# Altium PCB openservo_tessellated.PcbDoc (part 4 of 13) (continued)
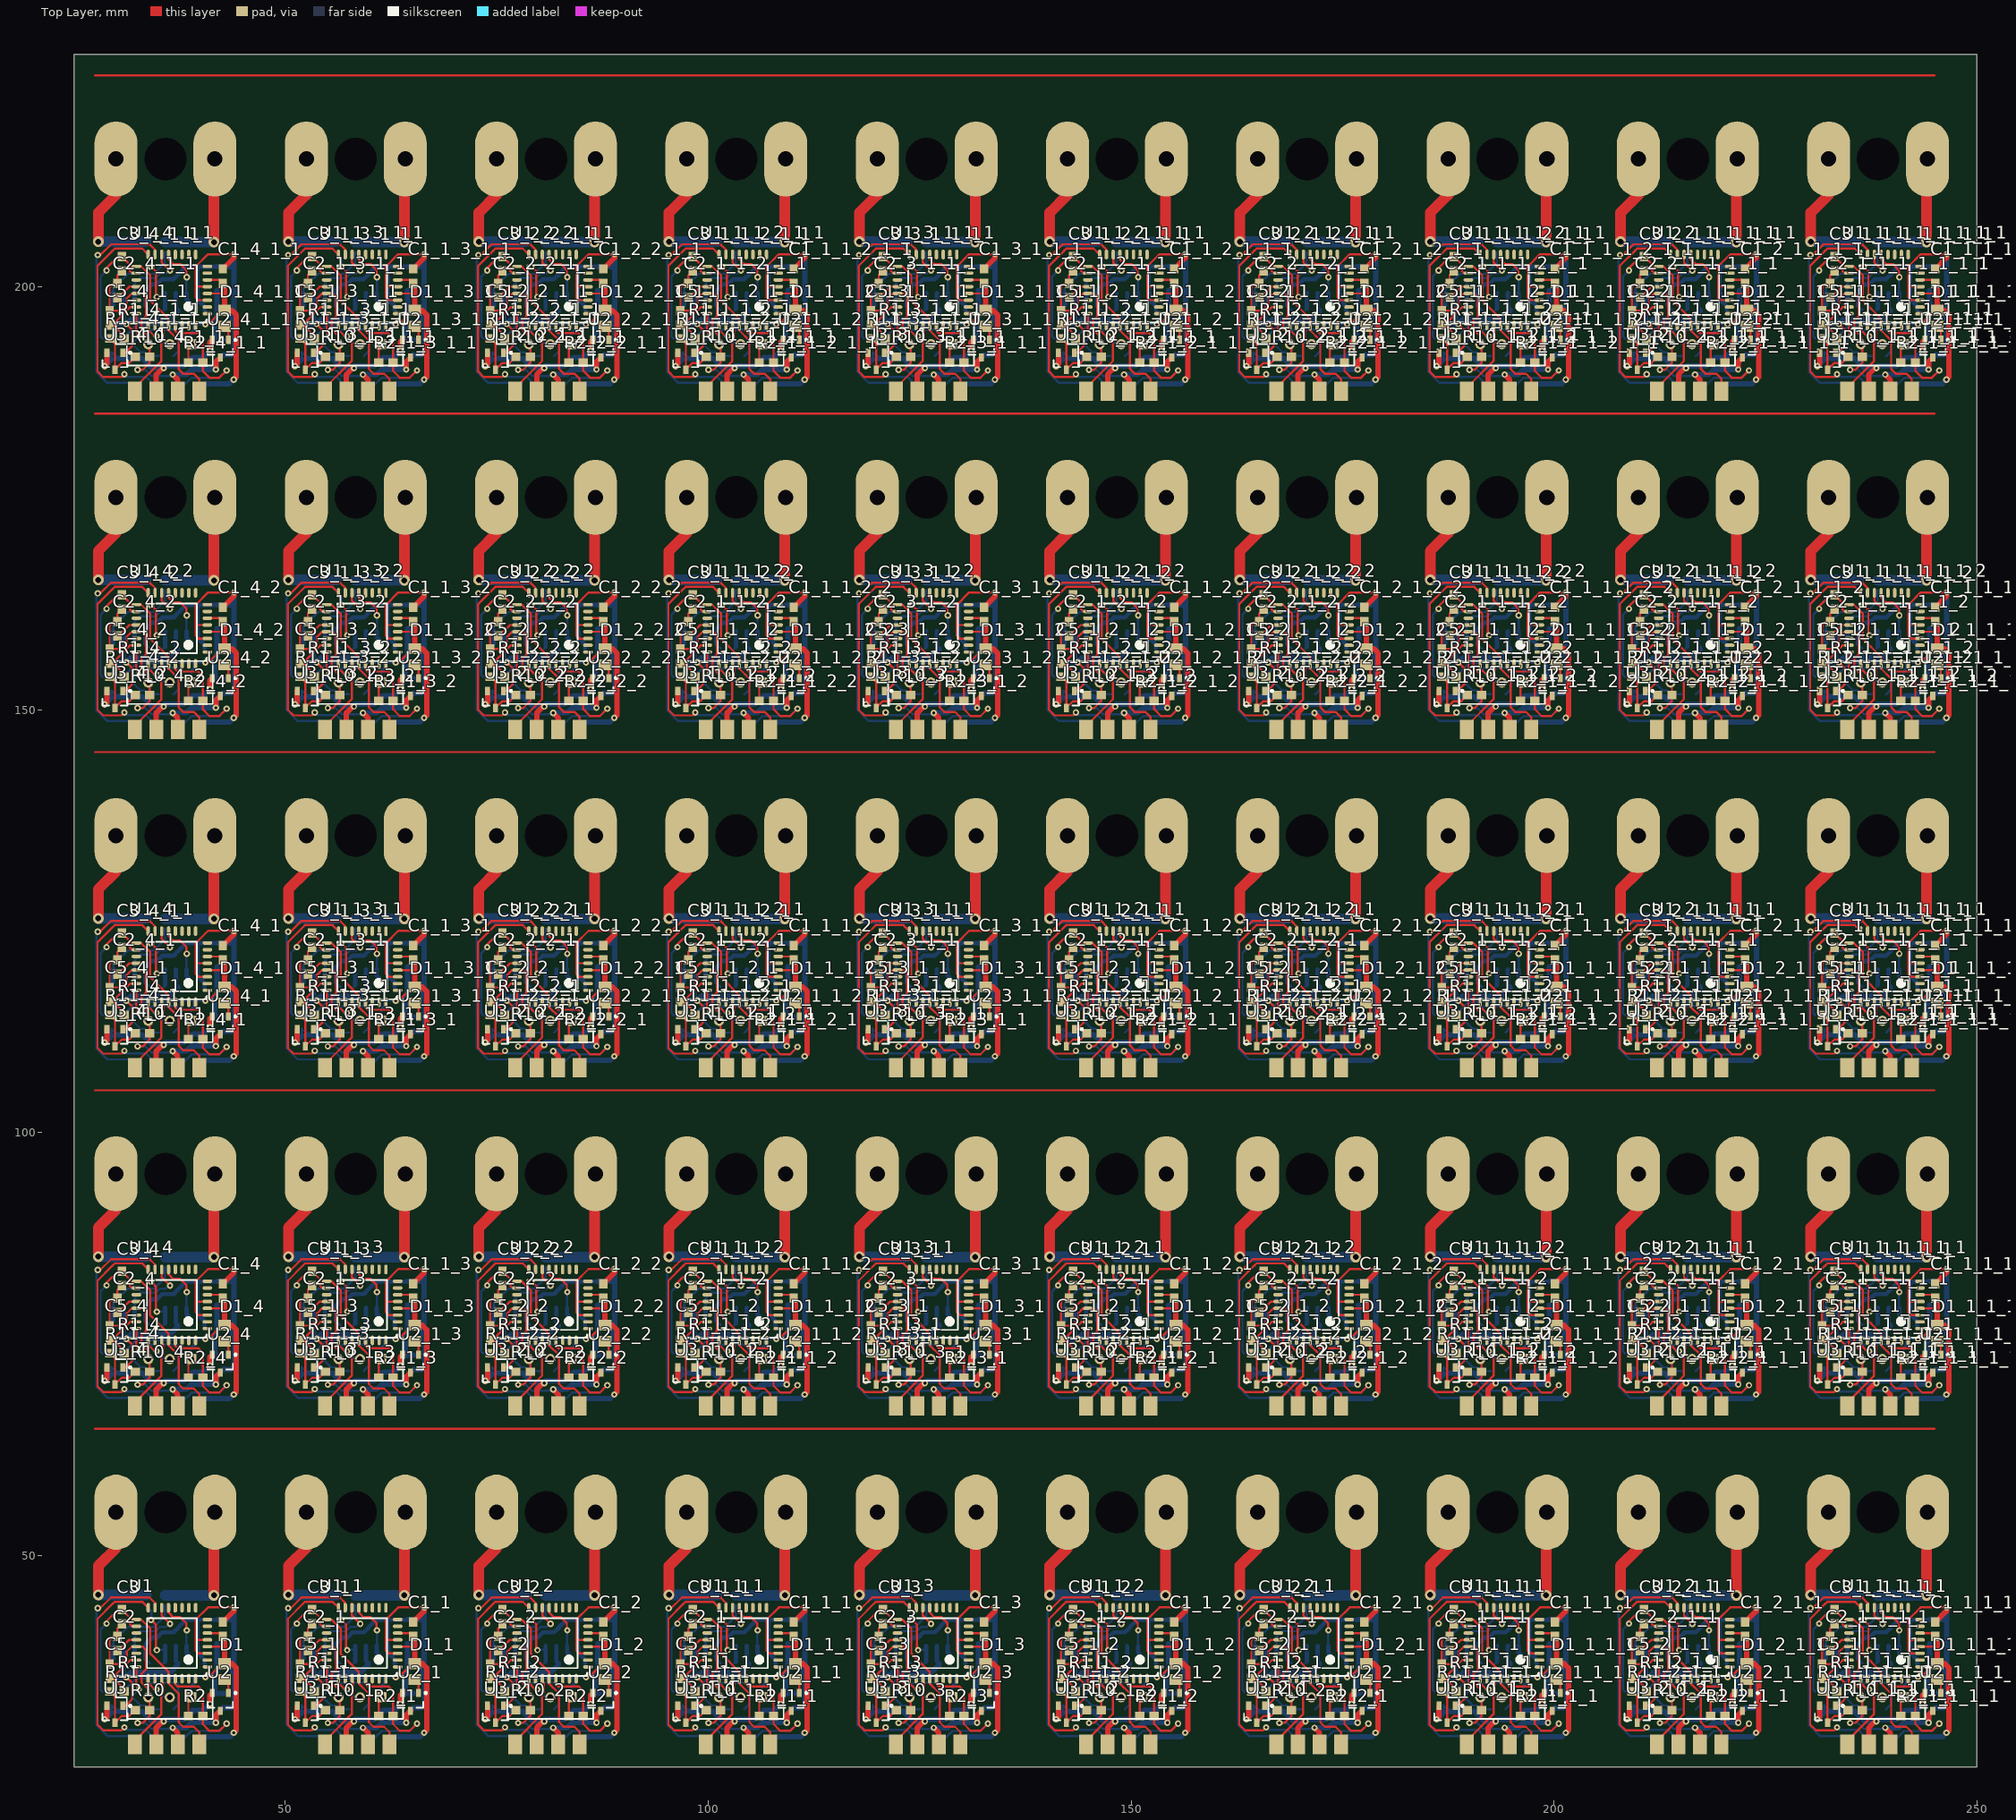
[diagram p0: Top Layer view]
## Nets (pads, with @x,y where several pads share a name; then routed paths per layer and width w, separated by ;. In a path a pad name is that pad's centre, name@x,y a point inside that pad or via, vN(x,y) a via of type N, cw(c..) or ccw(c..) an arc to the next point about the centre after c; other vN are vias at no path point) (continued)
Q2_4.7 Q2_4.8 Q2_4_1.1 Q2_4_1.2 Q2_4_1.3 Q2_4_1.4 Q2_4_1.5 Q2_4_1.6 Q2_4_1.7 Q2_4_1.8 Q2_4_1_1.1 Q2_4_1_1.2 Q2_4_1_1.3 Q2_4_1_1.4 Q2_4_1_1.5 Q2_4_1_1.6 Q2_4_1_1.7 Q2_4_1_1.8 Q2_4_2.1 Q2_4_2.2 Q2_4_2.3 Q2_4_2.4 Q2_4_2.5 Q2_4_2.6 Q2_4_2.7 Q2_4_2.8 R1_1.1 R1_1.2 R1_1.3 R1_1_1.1 R1_1_1.2 R1_1_1.3 R1_1_1_1.1 R1_1_1_1.2 R1_1_1_1.3 R1_1_1_1_1.1 R1_1_1_1_1.2 R1_1_1_1_1.3 R1_1_1_1_1_1.1 R1_1_1_1_1_1.2 R1_1_1_1_1_1.3 R1_1_1_1_1_1_1.1 R1_1_1_1_1_1_1.2 R1_1_1_1_1_1_1.3 R1_1_1_1_1_1_1_1.1 R1_1_1_1_1_1_1_1.2 R1_1_1_1_1_1_1_1.3 R1_1_1_1_1_1_2.1 R1_1_1_1_1_1_2.2 R1_1_1_1_1_1_2.3 R1_1_1_1_2.1 R1_1_1_1_2.2 R1_1_1_1_2.3 R1_1_1_1_2_1.1 R1_1_1_1_2_1.2 R1_1_1_1_2_1.3 R1_1_1_1_2_1_1.1 R1_1_1_1_2_1_1.2 R1_1_1_1_2_1_1.3 R1_1_1_1_2_2.1 R1_1_1_1_2_2.2 R1_1_1_1_2_2.3 R1_1_1_2.1 R1_1_1_2.2 R1_1_1_2.3 R1_1_1_2_1.1 R1_1_1_2_1.2 R1_1_1_2_1.3 R1_1_1_2_1_1.1 R1_1_1_2_1_1.2 R1_1_1_2_1_1.3 R1_1_1_2_2.1 R1_1_1_2_2.2 R1_1_1_2_2.3 R1_1_2.1 R1_1_2.2 R1_1_2.3 R1_1_2_1.1 R1_1_2_1.2 R1_1_2_1.3 R1_1_2_1_1.1 R1_1_2_1_1.2 R1_1_2_1_1.3 R1_1_2_1_1_1.1 R1_1_2_1_1_1.2 R1_1_2_1_1_1.3 R1_1_2_1_2.1 R1_1_2_1_2.2 R1_1_2_1_2.3 R1_1_3.1 R1_1_3.2 R1_1_3.3 R1_1_3_1.1 R1_1_3_1.2 R1_1_3_1.3 R1_1_3_1_1.1 R1_1_3_1_1.2 R1_1_3_1_1.3 R1_1_3_2.1 R1_1_3_2.2 R1_1_3_2.3 R1_2.1 R1_2.2 R1_2.3 R1_2_1.1 R1_2_1.2 R1_2_1.3 R1_2_1_1.1 R1_2_1_1.2 R1_2_1_1.3 R1_2_1_1_1.1 R1_2_1_1_1.2 R1_2_1_1_1.3 R1_2_1_1_1_1.1 R1_2_1_1_1_1.2 R1_2_1_1_1_1.3 R1_2_1_1_1_1_1.1 R1_2_1_1_1_1_1.2 R1_2_1_1_1_1_1.3 R1_2_1_1_1_2.1 R1_2_1_1_1_2.2 R1_2_1_1_1_2.3 R1_2_1_2.1 R1_2_1_2.2 R1_2_1_2.3 R1_2_1_2_1.1 R1_2_1_2_1.2 R1_2_1_2_1.3 R1_2_1_2_1_1.1 R1_2_1_2_1_1.2 R1_2_1_2_1_1.3 R1_2_1_2_2.1 R1_2_1_2_2.2 R1_2_1_2_2.3 R1_2_2.1 R1_2_2.2 R1_2_2.3 R1_2_2_1.1 R1_2_2_1.2 R1_2_2_1.3 R1_2_2_1_1.1 R1_2_2_1_1.2 R1_2_2_1_1.3 R1_2_2_2.1 R1_2_2_2.2 R1_2_2_2.3 R1_3.1 R1_3.2 R1_3.3 R1_3_1.1 R1_3_1.2 R1_3_1.3 R1_3_1_1.1 R1_3_1_1.2 R1_3_1_1.3 R1_3_1_1_1.1 R1_3_1_1_1.2 R1_3_1_1_1.3 R1_3_1_2.1 R1_3_1_2.2 R1_3_1_2.3 R1_4.1 R1_4.2 R1_4.3 R1_4_1.1 R1_4_1.2 R1_4_1.3 R1_4_1_1.1 R1_4_1_1.2 R1_4_1_1.3 R1_4_2.1 R1_4_2.2 R1_4_2.3 R2_1.1 R2_1.2 R2_1_1.1 R2_1_1.2 R2_1_1_1.1 R2_1_1_1.2 R2_1_1_1_1.1 R2_1_1_1_1.2 R2_1_1_1_1_1.1 R2_1_1_1_1_1.2 R2_1_1_1_1_1_1.1 R2_1_1_1_1_1_1.2 R2_1_1_1_1_1_1_1.1 R2_1_1_1_1_1_1_1.2 R2_1_1_1_1_1_2.1 R2_1_1_1_1_1_2.2 R2_1_1_1_2.1 R2_1_1_1_2.2 R2_1_1_1_2_1.1 R2_1_1_1_2_1.2 R2_1_1_1_2_1_1.1 R2_1_1_1_2_1_1.2 R2_1_1_1_2_2.1 R2_1_1_1_2_2.2 R2_1_1_2.1 R2_1_1_2.2 R2_1_1_2_1.1 R2_1_1_2_1.2 R2_1_1_2_1_1.1 R2_1_1_2_1_1.2 R2_1_1_2_2.1 R2_1_1_2_2.2 R2_1_2.1 R2_1_2.2 R2_1_2_1.1 R2_1_2_1.2 R2_1_2_1_1.1 R2_1_2_1_1.2 R2_1_2_1_1_1.1 R2_1_2_1_1_1.2 R2_1_2_1_2.1 R2_1_2_1_2.2 R2_1_3.1 R2_1_3.2 R2_1_3_1.1 R2_1_3_1.2 R2_1_3_1_1.1 R2_1_3_1_1.2 R2_1_3_2.1 R2_1_3_2.2 R2_2.1 R2_2.2 R2_2_1.1 R2_2_1.2 R2_2_1_1.1 R2_2_1_1.2 R2_2_1_1_1.1 R2_2_1_1_1.2 R2_2_1_1_1_1.1 R2_2_1_1_1_1.2 R2_2_1_1_1_1_1.1 R2_2_1_1_1_1_1.2 R2_2_1_1_1_2.1 R2_2_1_1_1_2.2 R2_2_1_2.1 R2_2_1_2.2 R2_2_1_2_1.1 R2_2_1_2_1.2 R2_2_1_2_1_1.1 R2_2_1_2_1_1.2 R2_2_1_2_2.1 R2_2_1_2_2.2 R2_2_2.1 R2_2_2.2 R2_2_2_1.1 R2_2_2_1.2 R2_2_2_1_1.1 R2_2_2_1_1.2 R2_2_2_2.1 R2_2_2_2.2 R2_3.1 R2_3.2 R2_3_1.1 R2_3_1.2 R2_3_1_1.1 R2_3_1_1.2 R2_3_1_1_1.1 R2_3_1_1_1.2 R2_3_1_2.1 R2_3_1_2.2 R2_4.1 R2_4.2 R2_4_1.1 R2_4_1.2 R2_4_1_1.1 R2_4_1_1.2 R2_4_2.1 R2_4_2.2 R3_1.1 R3_1.2 R3_1_1.1 R3_1_1.2 R3_1_1_1.1 R3_1_1_1.2 R3_1_1_1_1.1 R3_1_1_1_1.2 R3_1_1_1_1_1.1 R3_1_1_1_1_1.2 R3_1_1_1_1_1_1.1 R3_1_1_1_1_1_1.2 R3_1_1_1_1_1_1_1.1 R3_1_1_1_1_1_1_1.2 R3_1_1_1_1_1_2.1 R3_1_1_1_1_1_2.2 R3_1_1_1_2.1 R3_1_1_1_2.2 R3_1_1_1_2_1.1 R3_1_1_1_2_1.2 R3_1_1_1_2_1_1.1 R3_1_1_1_2_1_1.2 R3_1_1_1_2_2.1 R3_1_1_1_2_2.2 R3_1_1_2.1 R3_1_1_2.2 R3_1_1_2_1.1 R3_1_1_2_1.2 R3_1_1_2_1_1.1 R3_1_1_2_1_1.2 R3_1_1_2_2.1 R3_1_1_2_2.2 R3_1_2.1 R3_1_2.2 R3_1_2_1.1 R3_1_2_1.2 R3_1_2_1_1.1 R3_1_2_1_1.2 R3_1_2_1_1_1.1 R3_1_2_1_1_1.2 R3_1_2_1_2.1 R3_1_2_1_2.2 R3_1_3.1 R3_1_3.2 R3_1_3_1.1 R3_1_3_1.2 R3_1_3_1_1.1 R3_1_3_1_1.2 R3_1_3_2.1 R3_1_3_2.2 R3_2.1 R3_2.2 R3_2_1.1 R3_2_1.2 R3_2_1_1.1 R3_2_1_1.2 R3_2_1_1_1.1 R3_2_1_1_1.2 R3_2_1_1_1_1.1 R3_2_1_1_1_1.2 R3_2_1_1_1_1_1.1 R3_2_1_1_1_1_1.2 R3_2_1_1_1_2.1 R3_2_1_1_1_2.2 R3_2_1_2.1 R3_2_1_2.2 R3_2_1_2_1.1 R3_2_1_2_1.2 R3_2_1_2_1_1.1 R3_2_1_2_1_1.2 R3_2_1_2_2.1 R3_2_1_2_2.2 R3_2_2.1 R3_2_2.2 R3_2_2_1.1 R3_2_2_1.2 R3_2_2_1_1.1 R3_2_2_1_1.2 R3_2_2_2.1 R3_2_2_2.2 R3_3.1 R3_3.2 R3_3_1.1 R3_3_1.2 R3_3_1_1.1 R3_3_1_1.2 R3_3_1_1_1.1 R3_3_1_1_1.2 R3_3_1_2.1 R3_3_1_2.2 R3_4.1 R3_4.2 R3_4_1.1 R3_4_1.2 R3_4_1_1.1 R3_4_1_1.2 R3_4_2.1 R3_4_2.2 R4_1.1 R4_1.2 R4_1_1.1 R4_1_1.2 R4_1_1_1.1 R4_1_1_1.2 R4_1_1_1_1.1 R4_1_1_1_1.2 R4_1_1_1_1_1.1 R4_1_1_1_1_1.2 R4_1_1_1_1_1_1.1 R4_1_1_1_1_1_1.2 R4_1_1_1_1_1_1_1.1 R4_1_1_1_1_1_1_1.2 R4_1_1_1_1_1_2.1 R4_1_1_1_1_1_2.2 R4_1_1_1_2.1 R4_1_1_1_2.2 R4_1_1_1_2_1.1 R4_1_1_1_2_1.2 R4_1_1_1_2_1_1.1 R4_1_1_1_2_1_1.2 R4_1_1_1_2_2.1 R4_1_1_1_2_2.2 R4_1_1_2.1 R4_1_1_2.2 R4_1_1_2_1.1 R4_1_1_2_1.2 R4_1_1_2_1_1.1 R4_1_1_2_1_1.2 R4_1_1_2_2.1 R4_1_1_2_2.2 R4_1_2.1 R4_1_2.2 R4_1_2_1.1 R4_1_2_1.2 R4_1_2_1_1.1 R4_1_2_1_1.2 R4_1_2_1_1_1.1 R4_1_2_1_1_1.2 R4_1_2_1_2.1 R4_1_2_1_2.2 R4_1_3.1 R4_1_3.2 R4_1_3_1.1 R4_1_3_1.2 R4_1_3_1_1.1 R4_1_3_1_1.2 R4_1_3_2.1 R4_1_3_2.2 R4_2.1 R4_2.2 R4_2_1.1 R4_2_1.2 R4_2_1_1.1 R4_2_1_1.2 R4_2_1_1_1.1 R4_2_1_1_1.2 R4_2_1_1_1_1.1 R4_2_1_1_1_1.2 R4_2_1_1_1_1_1.1 R4_2_1_1_1_1_1.2 R4_2_1_1_1_2.1 R4_2_1_1_1_2.2 R4_2_1_2.1 R4_2_1_2.2 R4_2_1_2_1.1 R4_2_1_2_1.2 R4_2_1_2_1_1.1 R4_2_1_2_1_1.2 R4_2_1_2_2.1 R4_2_1_2_2.2 R4_2_2.1 R4_2_2.2 R4_2_2_1.1 R4_2_2_1.2 R4_2_2_1_1.1 R4_2_2_1_1.2 R4_2_2_2.1 R4_2_2_2.2 R4_3.1 R4_3.2 R4_3_1.1 R4_3_1.2 R4_3_1_1.1 R4_3_1_1.2 R4_3_1_1_1.1 R4_3_1_1_1.2 R4_3_1_2.1 R4_3_1_2.2 R4_4.1 R4_4.2 R4_4_1.1 R4_4_1.2 R4_4_1_1.1 R4_4_1_1.2 R4_4_2.1 R4_4_2.2 R5_1.1 R5_1.2 R5_1_1.1 R5_1_1.2 R5_1_1_1.1 R5_1_1_1.2 R5_1_1_1_1.1 R5_1_1_1_1.2 R5_1_1_1_1_1.1 R5_1_1_1_1_1.2 R5_1_1_1_1_1_1.1 R5_1_1_1_1_1_1.2 R5_1_1_1_1_1_1_1.1 R5_1_1_1_1_1_1_1.2 R5_1_1_1_1_1_2.1 R5_1_1_1_1_1_2.2 R5_1_1_1_2.1 R5_1_1_1_2.2 R5_1_1_1_2_1.1 R5_1_1_1_2_1.2 R5_1_1_1_2_1_1.1 R5_1_1_1_2_1_1.2 R5_1_1_1_2_2.1 R5_1_1_1_2_2.2 R5_1_1_2.1 R5_1_1_2.2 R5_1_1_2_1.1 R5_1_1_2_1.2 R5_1_1_2_1_1.1 R5_1_1_2_1_1.2 R5_1_1_2_2.1 R5_1_1_2_2.2 R5_1_2.1 R5_1_2.2 R5_1_2_1.1 R5_1_2_1.2 R5_1_2_1_1.1 R5_1_2_1_1.2 R5_1_2_1_1_1.1 R5_1_2_1_1_1.2 R5_1_2_1_2.1 R5_1_2_1_2.2 R5_1_3.1 R5_1_3.2 R5_1_3_1.1 R5_1_3_1.2 R5_1_3_1_1.1 R5_1_3_1_1.2 R5_1_3_2.1 R5_1_3_2.2 R5_2.1 R5_2.2 R5_2_1.1 R5_2_1.2 R5_2_1_1.1 R5_2_1_1.2 R5_2_1_1_1.1 R5_2_1_1_1.2 R5_2_1_1_1_1.1 R5_2_1_1_1_1.2 R5_2_1_1_1_1_1.1 R5_2_1_1_1_1_1.2 R5_2_1_1_1_2.1 R5_2_1_1_1_2.2 R5_2_1_2.1 R5_2_1_2.2 R5_2_1_2_1.1 R5_2_1_2_1.2 R5_2_1_2_1_1.1 R5_2_1_2_1_1.2 R5_2_1_2_2.1 R5_2_1_2_2.2 R5_2_2.1 R5_2_2.2 R5_2_2_1.1 R5_2_2_1.2 R5_2_2_1_1.1 R5_2_2_1_1.2 R5_2_2_2.1 R5_2_2_2.2 R5_3.1 R5_3.2 R5_3_1.1 R5_3_1.2 R5_3_1_1.1 R5_3_1_1.2 R5_3_1_1_1.1 R5_3_1_1_1.2 R5_3_1_2.1 R5_3_1_2.2 R5_4.1 R5_4.2 R5_4_1.1 R5_4_1.2 R5_4_1_1.1 R5_4_1_1.2 R5_4_2.1 R5_4_2.2 R6_1.1 R6_1.2 R6_1_1.1 R6_1_1.2 R6_1_1_1.1 R6_1_1_1.2 R6_1_1_1_1.1 R6_1_1_1_1.2 R6_1_1_1_1_1.1 R6_1_1_1_1_1.2 R6_1_1_1_1_1_1.1 R6_1_1_1_1_1_1.2 R6_1_1_1_1_1_1_1.1 R6_1_1_1_1_1_1_1.2 R6_1_1_1_1_1_2.1 R6_1_1_1_1_1_2.2 R6_1_1_1_2.1 R6_1_1_1_2.2 R6_1_1_1_2_1.1 R6_1_1_1_2_1.2 R6_1_1_1_2_1_1.1 R6_1_1_1_2_1_1.2 R6_1_1_1_2_2.1 R6_1_1_1_2_2.2 R6_1_1_2.1 R6_1_1_2.2 R6_1_1_2_1.1 R6_1_1_2_1.2 R6_1_1_2_1_1.1 R6_1_1_2_1_1.2 R6_1_1_2_2.1 R6_1_1_2_2.2 R6_1_2.1 R6_1_2.2 R6_1_2_1.1 R6_1_2_1.2 R6_1_2_1_1.1 R6_1_2_1_1.2 R6_1_2_1_1_1.1 R6_1_2_1_1_1.2 R6_1_2_1_2.1 R6_1_2_1_2.2 R6_1_3.1 R6_1_3.2 R6_1_3_1.1 R6_1_3_1.2 R6_1_3_1_1.1 R6_1_3_1_1.2 R6_1_3_2.1 R6_1_3_2.2 R6_2.1 R6_2.2 R6_2_1.1 R6_2_1.2 R6_2_1_1.1 R6_2_1_1.2 R6_2_1_1_1.1 R6_2_1_1_1.2 R6_2_1_1_1_1.1 R6_2_1_1_1_1.2 R6_2_1_1_1_1_1.1 R6_2_1_1_1_1_1.2 R6_2_1_1_1_2.1 R6_2_1_1_1_2.2 R6_2_1_2.1 R6_2_1_2.2 R6_2_1_2_1.1 R6_2_1_2_1.2 R6_2_1_2_1_1.1 R6_2_1_2_1_1.2 R6_2_1_2_2.1 R6_2_1_2_2.2 R6_2_2.1 R6_2_2.2 R6_2_2_1.1 R6_2_2_1.2 R6_2_2_1_1.1 R6_2_2_1_1.2 R6_2_2_2.1 R6_2_2_2.2 R6_3.1 R6_3.2 R6_3_1.1 R6_3_1.2 R6_3_1_1.1 R6_3_1_1.2 R6_3_1_1_1.1 R6_3_1_1_1.2 R6_3_1_2.1 R6_3_1_2.2 R6_4.1 R6_4.2 R6_4_1.1 R6_4_1.2 R6_4_1_1.1 R6_4_1_1.2 R6_4_2.1 R6_4_2.2 R7_1.1 R7_1.2 R7_1_1.1 R7_1_1.2 R7_1_1_1.1 R7_1_1_1.2 R7_1_1_1_1.1 R7_1_1_1_1.2 R7_1_1_1_1_1.1 R7_1_1_1_1_1.2 R7_1_1_1_1_1_1.1 R7_1_1_1_1_1_1.2 R7_1_1_1_1_1_1_1.1 R7_1_1_1_1_1_1_1.2 R7_1_1_1_1_1_2.1 R7_1_1_1_1_1_2.2 R7_1_1_1_2.1 R7_1_1_1_2.2 R7_1_1_1_2_1.1 R7_1_1_1_2_1.2 R7_1_1_1_2_1_1.1 R7_1_1_1_2_1_1.2 R7_1_1_1_2_2.1 R7_1_1_1_2_2.2 R7_1_1_2.1 R7_1_1_2.2 R7_1_1_2_1.1 R7_1_1_2_1.2 R7_1_1_2_1_1.1 R7_1_1_2_1_1.2 R7_1_1_2_2.1 R7_1_1_2_2.2 R7_1_2.1 R7_1_2.2 R7_1_2_1.1 R7_1_2_1.2 R7_1_2_1_1.1 R7_1_2_1_1.2 R7_1_2_1_1_1.1 R7_1_2_1_1_1.2 R7_1_2_1_2.1 R7_1_2_1_2.2 R7_1_3.1 R7_1_3.2 R7_1_3_1.1 R7_1_3_1.2 R7_1_3_1_1.1 R7_1_3_1_1.2 R7_1_3_2.1 R7_1_3_2.2 R7_2.1 R7_2.2 R7_2_1.1 R7_2_1.2 R7_2_1_1.1 R7_2_1_1.2 R7_2_1_1_1.1 R7_2_1_1_1.2 R7_2_1_1_1_1.1 R7_2_1_1_1_1.2 R7_2_1_1_1_1_1.1 R7_2_1_1_1_1_1.2 R7_2_1_1_1_2.1 R7_2_1_1_1_2.2 R7_2_1_2.1 R7_2_1_2.2 R7_2_1_2_1.1 R7_2_1_2_1.2 R7_2_1_2_1_1.1 R7_2_1_2_1_1.2 R7_2_1_2_2.1 R7_2_1_2_2.2 R7_2_2.1 R7_2_2.2 R7_2_2_1.1 R7_2_2_1.2 R7_2_2_1_1.1 R7_2_2_1_1.2 R7_2_2_2.1 R7_2_2_2.2 R7_3.1 R7_3.2 R7_3_1.1 R7_3_1.2 R7_3_1_1.1 R7_3_1_1.2 R7_3_1_1_1.1 R7_3_1_1_1.2 R7_3_1_2.1 R7_3_1_2.2 R7_4.1 R7_4.2 R7_4_1.1 R7_4_1.2 R7_4_1_1.1 R7_4_1_1.2 R7_4_2.1 R7_4_2.2 R8_1.1 R8_1.2 R8_1_1.1 R8_1_1.2 R8_1_1_1.1 R8_1_1_1.2 R8_1_1_1_1.1 R8_1_1_1_1.2 R8_1_1_1_1_1.1 R8_1_1_1_1_1.2 R8_1_1_1_1_1_1.1 R8_1_1_1_1_1_1.2 R8_1_1_1_1_1_1_1.1 R8_1_1_1_1_1_1_1.2 R8_1_1_1_1_1_2.1 R8_1_1_1_1_1_2.2 R8_1_1_1_2.1 R8_1_1_1_2.2 R8_1_1_1_2_1.1 R8_1_1_1_2_1.2 R8_1_1_1_2_1_1.1 R8_1_1_1_2_1_1.2 R8_1_1_1_2_2.1 R8_1_1_1_2_2.2 R8_1_1_2.1 R8_1_1_2.2 R8_1_1_2_1.1 R8_1_1_2_1.2 R8_1_1_2_1_1.1 R8_1_1_2_1_1.2 R8_1_1_2_2.1 R8_1_1_2_2.2 R8_1_2.1 R8_1_2.2 R8_1_2_1.1 R8_1_2_1.2 R8_1_2_1_1.1 R8_1_2_1_1.2 R8_1_2_1_1_1.1 R8_1_2_1_1_1.2 R8_1_2_1_2.1 R8_1_2_1_2.2 R8_1_3.1 R8_1_3.2 R8_1_3_1.1 R8_1_3_1.2 R8_1_3_1_1.1 R8_1_3_1_1.2 R8_1_3_2.1 R8_1_3_2.2 R8_2.1 R8_2.2 R8_2_1.1 R8_2_1.2 R8_2_1_1.1 R8_2_1_1.2 R8_2_1_1_1.1 R8_2_1_1_1.2 R8_2_1_1_1_1.1 R8_2_1_1_1_1.2 R8_2_1_1_1_1_1.1 R8_2_1_1_1_1_1.2 R8_2_1_1_1_2.1 R8_2_1_1_1_2.2 R8_2_1_2.1 R8_2_1_2.2 R8_2_1_2_1.1 R8_2_1_2_1.2 R8_2_1_2_1_1.1 R8_2_1_2_1_1.2 R8_2_1_2_2.1 R8_2_1_2_2.2 R8_2_2.1 R8_2_2.2 R8_2_2_1.1 R8_2_2_1.2 R8_2_2_1_1.1 R8_2_2_1_1.2 R8_2_2_2.1 R8_2_2_2.2 R8_3.1 R8_3.2 R8_3_1.1 R8_3_1.2 R8_3_1_1.1 R8_3_1_1.2 R8_3_1_1_1.1 R8_3_1_1_1.2 R8_3_1_2.1 R8_3_1_2.2 R8_4.1 R8_4.2 R8_4_1.1 R8_4_1.2 R8_4_1_1.1 R8_4_1_1.2 R8_4_2.1 R8_4_2.2 R9_1.1 R9_1.2 R9_1_1.1 R9_1_1.2 R9_1_1_1.1 R9_1_1_1.2 R9_1_1_1_1.1 R9_1_1_1_1.2 R9_1_1_1_1_1.1 R9_1_1_1_1_1.2 R9_1_1_1_1_1_1.1 R9_1_1_1_1_1_1.2 R9_1_1_1_1_1_1_1.1 R9_1_1_1_1_1_1_1.2 R9_1_1_1_1_1_2.1 R9_1_1_1_1_1_2.2 R9_1_1_1_2.1 R9_1_1_1_2.2 R9_1_1_1_2_1.1 R9_1_1_1_2_1.2 R9_1_1_1_2_1_1.1 R9_1_1_1_2_1_1.2 R9_1_1_1_2_2.1 R9_1_1_1_2_2.2 R9_1_1_2.1 R9_1_1_2.2 R9_1_1_2_1.1 R9_1_1_2_1.2 R9_1_1_2_1_1.1 R9_1_1_2_1_1.2 R9_1_1_2_2.1 R9_1_1_2_2.2 R9_1_2.1 R9_1_2.2 R9_1_2_1.1 R9_1_2_1.2 R9_1_2_1_1.1 R9_1_2_1_1.2 R9_1_2_1_1_1.1 R9_1_2_1_1_1.2 R9_1_2_1_2.1 R9_1_2_1_2.2 R9_1_3.1 R9_1_3.2 R9_1_3_1.1 R9_1_3_1.2 R9_1_3_1_1.1 R9_1_3_1_1.2 R9_1_3_2.1 R9_1_3_2.2 R9_2.1 R9_2.2 R9_2_1.1 R9_2_1.2 R9_2_1_1.1 R9_2_1_1.2 R9_2_1_1_1.1 R9_2_1_1_1.2 R9_2_1_1_1_1.1 R9_2_1_1_1_1.2 R9_2_1_1_1_1_1.1 R9_2_1_1_1_1_1.2 R9_2_1_1_1_2.1 R9_2_1_1_1_2.2 R9_2_1_2.1 R9_2_1_2.2 R9_2_1_2_1.1 R9_2_1_2_1.2 R9_2_1_2_1_1.1 R9_2_1_2_1_1.2 R9_2_1_2_2.1 R9_2_1_2_2.2 R9_2_2.1 R9_2_2.2 R9_2_2_1.1 R9_2_2_1.2 R9_2_2_1_1.1 R9_2_2_1_1.2 R9_2_2_2.1 R9_2_2_2.2 R9_3.1 R9_3.2 R9_3_1.1 R9_3_1.2 R9_3_1_1.1 R9_3_1_1.2 R9_3_1_1_1.1 R9_3_1_1_1.2 R9_3_1_2.1 R9_3_1_2.2 R9_4.1 R9_4.2 R9_4_1.1 R9_4_1.2 R9_4_1_1.1 R9_4_1_1.2 R9_4_2.1 R9_4_2.2 R10_1.1 R10_1.2 R10_1_1.1 R10_1_1.2 R10_1_1_1.1 R10_1_1_1.2 R10_1_1_1_1.1 R10_1_1_1_1.2 R10_1_1_1_1_1.1 R10_1_1_1_1_1.2 R10_1_1_1_1_1_1.1 R10_1_1_1_1_1_1.2 R10_1_1_1_1_1_1_1.1 R10_1_1_1_1_1_1_1.2 R10_1_1_1_1_1_2.1 R10_1_1_1_1_1_2.2 R10_1_1_1_2.1 R10_1_1_1_2.2 R10_1_1_1_2_1.1 R10_1_1_1_2_1.2 R10_1_1_1_2_1_1.1 R10_1_1_1_2_1_1.2 R10_1_1_1_2_2.1 R10_1_1_1_2_2.2 R10_1_1_2.1 R10_1_1_2.2 R10_1_1_2_1.1 R10_1_1_2_1.2 R10_1_1_2_1_1.1 R10_1_1_2_1_1.2 R10_1_1_2_2.1 R10_1_1_2_2.2 R10_1_2.1 R10_1_2.2 R10_1_2_1.1 R10_1_2_1.2 R10_1_2_1_1.1 R10_1_2_1_1.2 R10_1_2_1_1_1.1 R10_1_2_1_1_1.2 R10_1_2_1_2.1 R10_1_2_1_2.2 R10_1_3.1 R10_1_3.2 R10_1_3_1.1 R10_1_3_1.2 R10_1_3_1_1.1 R10_1_3_1_1.2 R10_1_3_2.1 R10_1_3_2.2 R10_2.1 R10_2.2 R10_2_1.1 R10_2_1.2 R10_2_1_1.1 R10_2_1_1.2 R10_2_1_1_1.1 R10_2_1_1_1.2 R10_2_1_1_1_1.1 R10_2_1_1_1_1.2 R10_2_1_1_1_1_1.1 R10_2_1_1_1_1_1.2 R10_2_1_1_1_2.1 R10_2_1_1_1_2.2 R10_2_1_2.1 R10_2_1_2.2 R10_2_1_2_1.1 R10_2_1_2_1.2 R10_2_1_2_1_1.1 R10_2_1_2_1_1.2 R10_2_1_2_2.1 R10_2_1_2_2.2 R10_2_2.1 R10_2_2.2 R10_2_2_1.1 R10_2_2_1.2 R10_2_2_1_1.1 R10_2_2_1_1.2 R10_2_2_2.1 R10_2_2_2.2 R10_3.1 R10_3.2 R10_3_1.1 R10_3_1.2 R10_3_1_1.1 R10_3_1_1.2 R10_3_1_1_1.1 R10_3_1_1_1.2 R10_3_1_2.1 R10_3_1_2.2 R10_4.1 R10_4.2 R10_4_1.1 R10_4_1.2 R10_4_1_1.1 R10_4_1_1.2 R10_4_2.1 R10_4_2.2 R11_1.1 R11_1.2 R11_1_1.1 R11_1_1.2 R11_1_1_1.1 R11_1_1_1.2 R11_1_1_1_1.1 R11_1_1_1_1.2 R11_1_1_1_1_1.1 R11_1_1_1_1_1.2 R11_1_1_1_1_1_1.1 R11_1_1_1_1_1_1.2 R11_1_1_1_1_1_1_1.1 R11_1_1_1_1_1_1_1.2 R11_1_1_1_1_1_2.1 R11_1_1_1_1_1_2.2 R11_1_1_1_2.1 R11_1_1_1_2.2 R11_1_1_1_2_1.1 R11_1_1_1_2_1.2 R11_1_1_1_2_1_1.1 R11_1_1_1_2_1_1.2 R11_1_1_1_2_2.1 R11_1_1_1_2_2.2 R11_1_1_2.1 R11_1_1_2.2 R11_1_1_2_1.1 R11_1_1_2_1.2 R11_1_1_2_1_1.1 R11_1_1_2_1_1.2 R11_1_1_2_2.1 R11_1_1_2_2.2 R11_1_2.1 R11_1_2.2 R11_1_2_1.1 R11_1_2_1.2 R11_1_2_1_1.1 R11_1_2_1_1.2 R11_1_2_1_1_1.1 R11_1_2_1_1_1.2 R11_1_2_1_2.1 R11_1_2_1_2.2 R11_1_3.1 R11_1_3.2 R11_1_3_1.1 R11_1_3_1.2 R11_1_3_1_1.1 R11_1_3_1_1.2 R11_1_3_2.1 R11_1_3_2.2 R11_2.1 R11_2.2 R11_2_1.1 R11_2_1.2 R11_2_1_1.1 R11_2_1_1.2 R11_2_1_1_1.1 R11_2_1_1_1.2 R11_2_1_1_1_1.1 R11_2_1_1_1_1.2 R11_2_1_1_1_1_1.1 R11_2_1_1_1_1_1.2 R11_2_1_1_1_2.1 R11_2_1_1_1_2.2 R11_2_1_2.1 R11_2_1_2.2 R11_2_1_2_1.1 R11_2_1_2_1.2 R11_2_1_2_1_1.1 R11_2_1_2_1_1.2 R11_2_1_2_2.1 R11_2_1_2_2.2 R11_2_2.1 R11_2_2.2 R11_2_2_1.1 R11_2_2_1.2 R11_2_2_1_1.1 R11_2_2_1_1.2 R11_2_2_2.1 R11_2_2_2.2 R11_3.1 R11_3.2 R11_3_1.1 R11_3_1.2 R11_3_1_1.1 R11_3_1_1.2 R11_3_1_1_1.1 R11_3_1_1_1.2 R11_3_1_2.1 R11_3_1_2.2 R11_4.1 R11_4.2 R11_4_1.1 R11_4_1.2 R11_4_1_1.1 R11_4_1_1.2 R11_4_2.1 R11_4_2.2 U1.1 U1.2 U1.7 U1.8 U1.9 U1.10 U1.11 U1.12 U1.19 U1.22 U1.26 U1.30 U1.31 U1.32 U1_1.1 U1_1.2 U1_1.3 U1_1.4 U1_1.5 U1_1.6 U1_1.7 U1_1.8 U1_1.9 U1_1.10 U1_1.11 U1_1.12 U1_1.13 U1_1.14 U1_1.15 U1_1.16 U1_1.17 U1_1.18 U1_1.19 U1_1.20 U1_1.21 U1_1.22 U1_1.23 U1_1.24 U1_1.25 U1_1.26 U1_1.27 U1_1.28 U1_1.29 U1_1.30 U1_1.31 U1_1.32 U1_1_1.1 U1_1_1.2 U1_1_1.3 U1_1_1.4 U1_1_1.5 U1_1_1.6 U1_1_1.7 U1_1_1.8 U1_1_1.9 U1_1_1.10 U1_1_1.11 U1_1_1.12 U1_1_1.13 U1_1_1.14 U1_1_1.15 U1_1_1.16 U1_1_1.17 U1_1_1.18 U1_1_1.19 U1_1_1.20 U1_1_1.21 U1_1_1.22 U1_1_1.23 U1_1_1.24 U1_1_1.25 U1_1_1.26 U1_1_1.27 U1_1_1.28 U1_1_1.29 U1_1_1.30 U1_1_1.31 U1_1_1.32 U1_1_1_1.1 U1_1_1_1.2 U1_1_1_1.3 U1_1_1_1.4 U1_1_1_1.5 U1_1_1_1.6 U1_1_1_1.7 U1_1_1_1.8 U1_1_1_1.9 U1_1_1_1.10 U1_1_1_1.11 U1_1_1_1.12 U1_1_1_1.13 U1_1_1_1.14 U1_1_1_1.15 U1_1_1_1.16 U1_1_1_1.17 U1_1_1_1.18 U1_1_1_1.19 U1_1_1_1.20 U1_1_1_1.21 U1_1_1_1.22 U1_1_1_1.23 U1_1_1_1.24 U1_1_1_1.25 U1_1_1_1.26 U1_1_1_1.27 U1_1_1_1.28 U1_1_1_1.29 U1_1_1_1.30 U1_1_1_1.31 U1_1_1_1.32 U1_1_1_1_1.1 U1_1_1_1_1.2 U1_1_1_1_1.3 U1_1_1_1_1.4 U1_1_1_1_1.5 U1_1_1_1_1.6 U1_1_1_1_1.7 U1_1_1_1_1.8 U1_1_1_1_1.9 U1_1_1_1_1.10 U1_1_1_1_1.11 U1_1_1_1_1.12 U1_1_1_1_1.13 U1_1_1_1_1.14 U1_1_1_1_1.15 U1_1_1_1_1.16 U1_1_1_1_1.17 U1_1_1_1_1.18 U1_1_1_1_1.19 U1_1_1_1_1.20 U1_1_1_1_1.21 U1_1_1_1_1.22 U1_1_1_1_1.23 U1_1_1_1_1.24 U1_1_1_1_1.25 U1_1_1_1_1.26 U1_1_1_1_1.27 U1_1_1_1_1.28 U1_1_1_1_1.29 U1_1_1_1_1.30 U1_1_1_1_1.31 U1_1_1_1_1.32 U1_1_1_1_1_1.1 U1_1_1_1_1_1.2 U1_1_1_1_1_1.3 U1_1_1_1_1_1.4 U1_1_1_1_1_1.5 U1_1_1_1_1_1.6 U1_1_1_1_1_1.7 U1_1_1_1_1_1.8 U1_1_1_1_1_1.9 U1_1_1_1_1_1.10 U1_1_1_1_1_1.11 U1_1_1_1_1_1.12 U1_1_1_1_1_1.13 U1_1_1_1_1_1.14 U1_1_1_1_1_1.15 U1_1_1_1_1_1.16 U1_1_1_1_1_1.17 U1_1_1_1_1_1.18 U1_1_1_1_1_1.19 U1_1_1_1_1_1.20 U1_1_1_1_1_1.21 U1_1_1_1_1_1.22 U1_1_1_1_1_1.23 U1_1_1_1_1_1.24 U1_1_1_1_1_1.25 U1_1_1_1_1_1.26 U1_1_1_1_1_1.27 U1_1_1_1_1_1.28 U1_1_1_1_1_1.29 U1_1_1_1_1_1.30 U1_1_1_1_1_1.31 U1_1_1_1_1_1.32 U1_1_1_1_1_1_1.1 U1_1_1_1_1_1_1.2 U1_1_1_1_1_1_1.3 U1_1_1_1_1_1_1.4 U1_1_1_1_1_1_1.5 U1_1_1_1_1_1_1.6 U1_1_1_1_1_1_1.7 U1_1_1_1_1_1_1.8 U1_1_1_1_1_1_1.9 U1_1_1_1_1_1_1.10 U1_1_1_1_1_1_1.11 U1_1_1_1_1_1_1.12 U1_1_1_1_1_1_1.13 U1_1_1_1_1_1_1.14 U1_1_1_1_1_1_1.15 U1_1_1_1_1_1_1.16 U1_1_1_1_1_1_1.17 U1_1_1_1_1_1_1.18 U1_1_1_1_1_1_1.19 U1_1_1_1_1_1_1.20 U1_1_1_1_1_1_1.21 U1_1_1_1_1_1_1.22 U1_1_1_1_1_1_1.23 U1_1_1_1_1_1_1.24 U1_1_1_1_1_1_1.25 U1_1_1_1_1_1_1.26 U1_1_1_1_1_1_1.27 U1_1_1_1_1_1_1.28 U1_1_1_1_1_1_1.29 U1_1_1_1_1_1_1.30 U1_1_1_1_1_1_1.31 U1_1_1_1_1_1_1.32 U1_1_1_1_1_1_1_1.1 U1_1_1_1_1_1_1_1.2 U1_1_1_1_1_1_1_1.3 U1_1_1_1_1_1_1_1.4 U1_1_1_1_1_1_1_1.5 U1_1_1_1_1_1_1_1.6 U1_1_1_1_1_1_1_1.7 U1_1_1_1_1_1_1_1.8 U1_1_1_1_1_1_1_1.9 U1_1_1_1_1_1_1_1.10 U1_1_1_1_1_1_1_1.11 U1_1_1_1_1_1_1_1.12 U1_1_1_1_1_1_1_1.13 U1_1_1_1_1_1_1_1.14 U1_1_1_1_1_1_1_1.15 U1_1_1_1_1_1_1_1.16 U1_1_1_1_1_1_1_1.17 U1_1_1_1_1_1_1_1.18 U1_1_1_1_1_1_1_1.19 U1_1_1_1_1_1_1_1.20 U1_1_1_1_1_1_1_1.21 U1_1_1_1_1_1_1_1.22 U1_1_1_1_1_1_1_1.23 U1_1_1_1_1_1_1_1.24 U1_1_1_1_1_1_1_1.25 U1_1_1_1_1_1_1_1.26 U1_1_1_1_1_1_1_1.27 U1_1_1_1_1_1_1_1.28 U1_1_1_1_1_1_1_1.29 U1_1_1_1_1_1_1_1.30 U1_1_1_1_1_1_1_1.31 U1_1_1_1_1_1_1_1.32 U1_1_1_1_1_1_2.1 U1_1_1_1_1_1_2.2 U1_1_1_1_1_1_2.3 U1_1_1_1_1_1_2.4 U1_1_1_1_1_1_2.5 U1_1_1_1_1_1_2.6 U1_1_1_1_1_1_2.7 U1_1_1_1_1_1_2.8 U1_1_1_1_1_1_2.9 U1_1_1_1_1_1_2.10 U1_1_1_1_1_1_2.11 U1_1_1_1_1_1_2.12 U1_1_1_1_1_1_2.13 U1_1_1_1_1_1_2.14 U1_1_1_1_1_1_2.15 U1_1_1_1_1_1_2.16 U1_1_1_1_1_1_2.17 U1_1_1_1_1_1_2.18 U1_1_1_1_1_1_2.19 U1_1_1_1_1_1_2.20 U1_1_1_1_1_1_2.21 U1_1_1_1_1_1_2.22 U1_1_1_1_1_1_2.23 U1_1_1_1_1_1_2.24 U1_1_1_1_1_1_2.25 U1_1_1_1_1_1_2.26 U1_1_1_1_1_1_2.27 U1_1_1_1_1_1_2.28 U1_1_1_1_1_1_2.29 U1_1_1_1_1_1_2.30 U1_1_1_1_1_1_2.31 U1_1_1_1_1_1_2.32 U1_1_1_1_2.1 U1_1_1_1_2.2 U1_1_1_1_2.3 U1_1_1_1_2.4 U1_1_1_1_2.5 U1_1_1_1_2.6 U1_1_1_1_2.7 U1_1_1_1_2.8 U1_1_1_1_2.9 U1_1_1_1_2.10 U1_1_1_1_2.11 U1_1_1_1_2.12 U1_1_1_1_2.13 U1_1_1_1_2.14 U1_1_1_1_2.15 U1_1_1_1_2.16 U1_1_1_1_2.17 U1_1_1_1_2.18 U1_1_1_1_2.19 U1_1_1_1_2.20 U1_1_1_1_2.21 U1_1_1_1_2.22 U1_1_1_1_2.23 U1_1_1_1_2.24 U1_1_1_1_2.25 U1_1_1_1_2.26 U1_1_1_1_2.27 U1_1_1_1_2.28 U1_1_1_1_2.29 U1_1_1_1_2.30 U1_1_1_1_2.31 U1_1_1_1_2.32 U1_1_1_1_2_1.1 U1_1_1_1_2_1.2 U1_1_1_1_2_1.3 U1_1_1_1_2_1.4 U1_1_1_1_2_1.5 U1_1_1_1_2_1.6 U1_1_1_1_2_1.7 U1_1_1_1_2_1.8 U1_1_1_1_2_1.9 U1_1_1_1_2_1.10 U1_1_1_1_2_1.11 U1_1_1_1_2_1.12 U1_1_1_1_2_1.13 U1_1_1_1_2_1.14 U1_1_1_1_2_1.15 U1_1_1_1_2_1.16 U1_1_1_1_2_1.17 U1_1_1_1_2_1.18 U1_1_1_1_2_1.19 U1_1_1_1_2_1.20 U1_1_1_1_2_1.21 U1_1_1_1_2_1.22 U1_1_1_1_2_1.23 U1_1_1_1_2_1.24 U1_1_1_1_2_1.25 U1_1_1_1_2_1.26 U1_1_1_1_2_1.27 U1_1_1_1_2_1.28 U1_1_1_1_2_1.29 U1_1_1_1_2_1.30 U1_1_1_1_2_1.31 U1_1_1_1_2_1.32 U1_1_1_1_2_1_1.1 U1_1_1_1_2_1_1.2 U1_1_1_1_2_1_1.3 U1_1_1_1_2_1_1.4 U1_1_1_1_2_1_1.5 U1_1_1_1_2_1_1.6 U1_1_1_1_2_1_1.7 U1_1_1_1_2_1_1.8 U1_1_1_1_2_1_1.9 U1_1_1_1_2_1_1.10 U1_1_1_1_2_1_1.11 U1_1_1_1_2_1_1.12 U1_1_1_1_2_1_1.13 U1_1_1_1_2_1_1.14 U1_1_1_1_2_1_1.15 U1_1_1_1_2_1_1.16 U1_1_1_1_2_1_1.17 U1_1_1_1_2_1_1.18 U1_1_1_1_2_1_1.19 U1_1_1_1_2_1_1.20 U1_1_1_1_2_1_1.21 U1_1_1_1_2_1_1.22 U1_1_1_1_2_1_1.23 U1_1_1_1_2_1_1.24 U1_1_1_1_2_1_1.25 U1_1_1_1_2_1_1.26 U1_1_1_1_2_1_1.27 U1_1_1_1_2_1_1.28 U1_1_1_1_2_1_1.29 U1_1_1_1_2_1_1.30 U1_1_1_1_2_1_1.31 U1_1_1_1_2_1_1.32 U1_1_1_1_2_2.1 U1_1_1_1_2_2.2 U1_1_1_1_2_2.3 U1_1_1_1_2_2.4 U1_1_1_1_2_2.5 U1_1_1_1_2_2.6 U1_1_1_1_2_2.7 U1_1_1_1_2_2.8 U1_1_1_1_2_2.9 U1_1_1_1_2_2.10 U1_1_1_1_2_2.11 U1_1_1_1_2_2.12 U1_1_1_1_2_2.13 U1_1_1_1_2_2.14 U1_1_1_1_2_2.15 U1_1_1_1_2_2.16 U1_1_1_1_2_2.17 U1_1_1_1_2_2.18 U1_1_1_1_2_2.19 U1_1_1_1_2_2.20 U1_1_1_1_2_2.21 U1_1_1_1_2_2.22 U1_1_1_1_2_2.23 U1_1_1_1_2_2.24 U1_1_1_1_2_2.25 U1_1_1_1_2_2.26 U1_1_1_1_2_2.27 U1_1_1_1_2_2.28 U1_1_1_1_2_2.29 U1_1_1_1_2_2.30 U1_1_1_1_2_2.31 U1_1_1_1_2_2.32 U1_1_1_2.1 U1_1_1_2.2 U1_1_1_2.3 U1_1_1_2.4 U1_1_1_2.5 U1_1_1_2.6 U1_1_1_2.7 U1_1_1_2.8 U1_1_1_2.9 U1_1_1_2.10 U1_1_1_2.11 U1_1_1_2.12 U1_1_1_2.13 